# Altium PCB PCB_VHDCI_breakout.PCBDOC (part 4 of 6)
Units mm, origin at the board's own origin, x right, y up, seen from the top; angles counter-clockwise.
Board outline 159.99 x 100 mm, 4 copper layers (TopLayer, Internal Plane 1, Internal Plane 2, BottomLayer), stack 1.622 mm thick; 81 components, 168 nets, 660 pads, 330 vias.
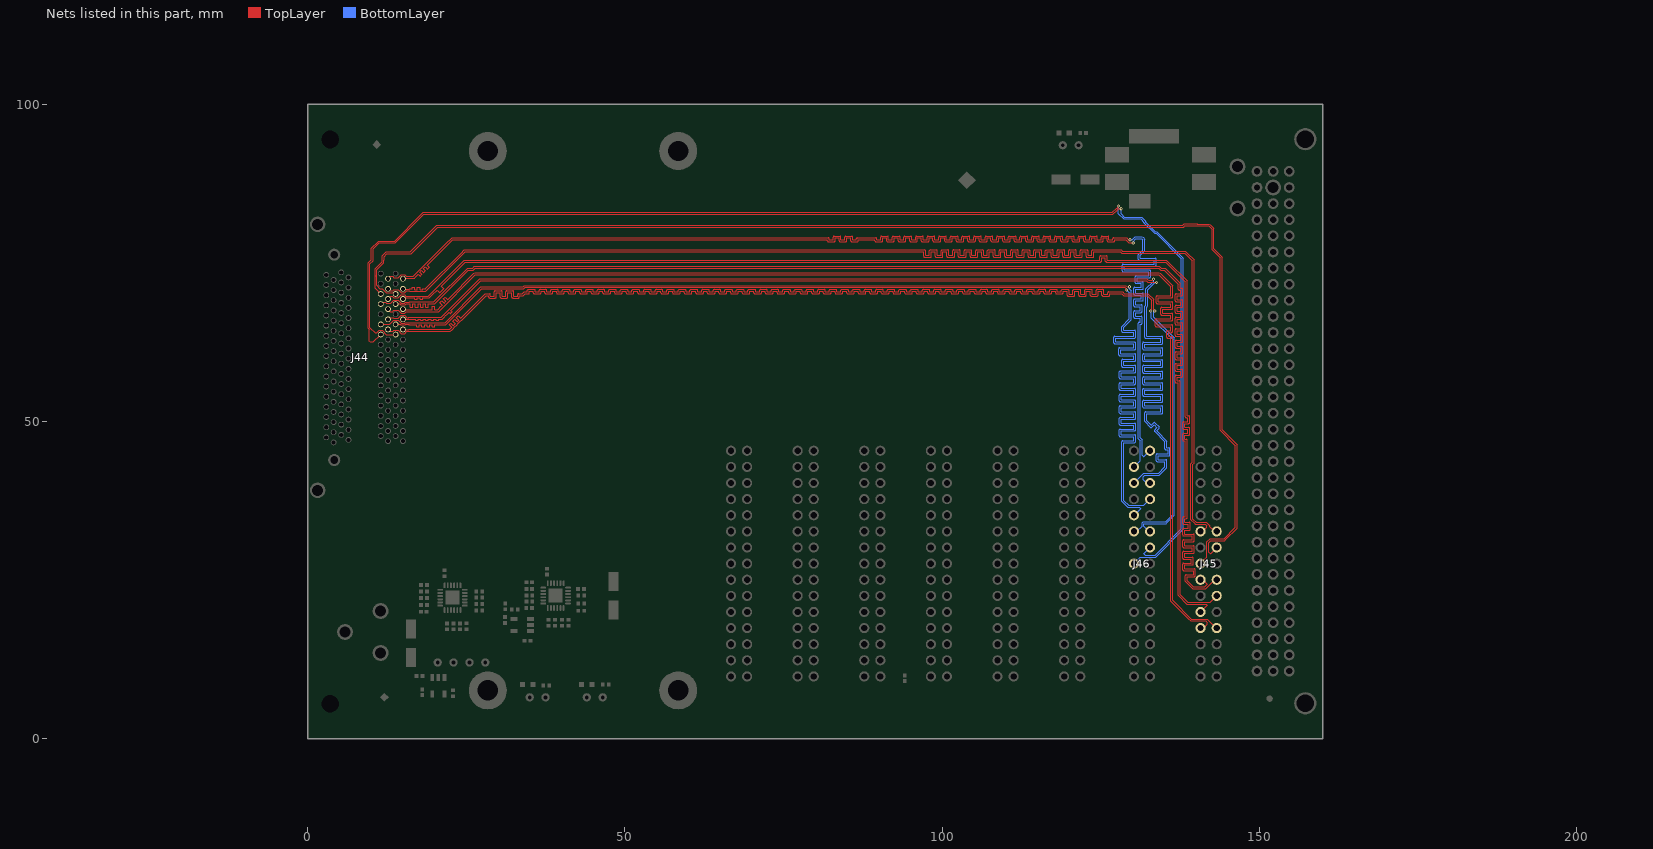
[diagram p6: the nets of this part, all layers, seen from the top]

## Via types
v1: diameter 0.5, hole 0.2, TopLayer to BottomLayer, tented both sides, 278 vias
v2: diameter 0.6, hole 0.3, TopLayer to BottomLayer, tented both sides, 52 vias

## Nets (pads, with @x,y where several pads share a name; then routed paths per layer and width w, separated by ;. In a path a pad name is that pad's centre, name@x,y a point inside that pad or via, vN(x,y) a via of type N, cw(c..) or ccw(c..) an arc to the next point about the centre after c; other vN are vias at no path point) (continued)
LVDS5_4_N: J44.U38 J45.12 | length 199
  TopLayer w0.127: J44.U38@15.025,70.871 15.079,70.817 16.053,70.817 16.117,70.88
  TopLayer w0.152: 16.117,70.88 16.3,70.88 16.503,70.88 16.503,71.119 16.91,71.119 16.91,70.88 16.91,70.753 17.316,70.753 17.316,70.88 17.316,71.119 17.722,71.119 17.722,70.88 17.722,70.753 18.129,70.753 18.129,70.88 18.535,70.88 18.58,70.88 18.65,70.95 24.181,76.481 24.705,77.005 97.225,77.005 cw(c97.225,76.852) 97.378,76.852 97.378,76.136 97.987,76.136 97.987,76.852 cw(c98.14,76.852) 98.14,77.005 99.054,77.005 cw(c99.054,76.852) 99.206,76.852 99.206,76.136 99.816,76.136 99.816,76.852 cw(c99.968,76.852) 99.968,77.005 100.883,77.005 cw(c100.883,76.852) 101.035,76.852 101.035,76.136 101.645,76.136 101.645,76.852 cw(c101.797,76.852) 101.797,77.005 102.712,77.005 cw(c102.712,76.852) 102.864,76.852 102.864,76.136 103.474,76.136 103.474,76.852 cw(c103.626,76.852) 103.626,77.005 104.54,77.005 cw(c104.54,76.852) 104.693,76.852 104.693,76.136 105.302,76.136 105.302,76.852 cw(c105.455,76.852) 105.455,77.005 106.369,77.005 cw(c106.369,76.852) 106.522,76.852 106.522,76.136 107.131,76.136 107.131,76.852 cw(c107.284,76.852) 107.284,77.005 108.198,77.005 cw(c108.198,76.852) 108.35,76.852 108.35,76.136 108.96,76.136 108.96,76.852 cw(c109.112,76.852) 109.112,77.005 110.027,77.005 cw(c110.027,76.852) 110.179,76.852 110.179,76.136 110.789,76.136 110.789,76.852 cw(c110.941,76.852) 110.941,77.005 111.856,77.005 cw(c111.856,76.852) 112.008,76.852 112.008,76.136 112.618,76.136 112.618,76.852 cw(c112.77,76.852) 112.77,77.005 113.684,77.005 cw(c113.684,76.852) 113.837,76.852 113.837,76.136 114.446,76.136 114.446,76.852 cw(c114.599,76.852) 114.599,77.005 115.513,77.005 cw(c115.513,76.852) 115.666,76.852 115.666,76.136 116.275,76.136 116.275,76.852 cw(c116.428,76.852) 116.428,77.005 117.342,77.005 cw(c117.342,76.852) 117.494,76.852 117.494,76.136 118.104,76.136 118.104,76.852 cw(c118.256,76.852) 118.256,77.005 119.171,77.005 cw(c119.171,76.852) 119.323,76.852 119.323,76.136 119.933,76.136 119.933,76.852 cw(c120.085,76.852) 120.085,77.005 121,77.005 cw(c121,76.852) 121.152,76.852 121.152,76.136 121.762,76.136 121.762,76.852 cw(c121.914,76.852) 121.914,77.005 122.828,77.005 cw(c122.828,76.852) 122.981,76.852 122.981,76.136 123.59,76.136 123.59,76.852 cw(c123.743,76.852) 123.743,77.005 128.195,77.005 128.391,76.809 131.814,76.809 131.815,76.81 138.321,76.81 138.65,76.481 139.705,75.426 139.705,43.404 139.505,43.204 139.505,34.595 140.034,34.066 141.598,34.066 142.137,33.526 142.137,33.4 142.881,32.656 J45.12@143.255,32.656
LVDS5_4_P: J44.U4 J45.11 | length 199.9
  TopLayer w0.127: J44.U4@12.675,70.871 12.983,70.563 13.461,70.563 13.61,70.711 14.278,70.711 14.76,70.23 15.29,70.23 15.622,70.563 16.053,70.563 16.117,70.499 16.143,70.499
  TopLayer w0.152: 16.143,70.473 18.604,70.473 24.831,76.7 97.073,76.7 97.073,75.983 ccw(c97.225,75.983) 97.225,75.831 98.14,75.831 ccw(c98.14,75.983) 98.292,75.983 98.292,76.7 98.902,76.7 98.902,75.983 ccw(c99.054,75.983) 99.054,75.831 99.968,75.831 ccw(c99.968,75.983) 100.121,75.983 100.121,76.7 100.73,76.7 100.73,75.983 ccw(c100.883,75.983) 100.883,75.831 101.797,75.831 ccw(c101.797,75.983) 101.95,75.983 101.95,76.7 102.559,76.7 102.559,75.983 ccw(c102.712,75.983) 102.712,75.831 103.626,75.831 ccw(c103.626,75.983) 103.778,75.983 103.778,76.7 104.388,76.7 104.388,75.983 ccw(c104.54,75.983) 104.54,75.831 105.455,75.831 ccw(c105.455,75.983) 105.607,75.983 105.607,76.7 106.217,76.7 106.217,75.983 ccw(c106.369,75.983) 106.369,75.831 107.284,75.831 ccw(c107.284,75.983) 107.436,75.983 107.436,76.7 108.046,76.7 108.046,75.983 ccw(c108.198,75.983) 108.198,75.831 109.112,75.831 ccw(c109.112,75.983) 109.265,75.983 109.265,76.7 109.874,76.7 109.874,75.983 ccw(c110.027,75.983) 110.027,75.831 110.941,75.831 ccw(c110.941,75.983) 111.094,75.983 111.094,76.7 111.703,76.7 111.703,75.983 ccw(c111.856,75.983) 111.856,75.831 112.77,75.831 ccw(c112.77,75.983) 112.922,75.983 112.922,76.7 113.532,76.7 113.532,75.983 ccw(c113.684,75.983) 113.684,75.831 114.599,75.831 ccw(c114.599,75.983) 114.751,75.983 114.751,76.7 115.361,76.7 115.361,75.983 ccw(c115.513,75.983) 115.513,75.831 116.428,75.831 ccw(c116.428,75.983) 116.58,75.983 116.58,76.7 117.19,76.7 117.19,75.983 ccw(c117.342,75.983) 117.342,75.831 118.256,75.831 ccw(c118.256,75.983) 118.409,75.983 118.409,76.7 119.018,76.7 119.018,75.983 ccw(c119.171,75.983) 119.171,75.831 120.085,75.831 ccw(c120.085,75.983) 120.238,75.983 120.238,76.7 120.847,76.7 120.847,75.983 ccw(c121,75.983) 121,75.831 121.914,75.831 ccw(c121.914,75.983) 122.066,75.983 122.066,76.7 122.676,76.7 122.676,75.983 ccw(c122.828,75.983) 122.828,75.831 123.743,75.831 ccw(c123.743,75.983) 123.895,75.983 123.895,76.7 128.069,76.7 128.265,76.504 131.941,76.504 131.942,76.505 138.195,76.505 139.4,75.3 139.4,43.531 139.2,43.331 139.2,34.469 139.684,33.984 139.908,33.761 141.471,33.761 141.7,33.532 141.7,33.268 141.089,32.656 J45.11@140.715,32.656
LVDS5_5_N: J44.U39 J45.15 | length 199.1
  TopLayer w0.127: 12.053,75.953 12.053,75.477 11.989,75.414 11.989,75.008 10.897,73.915 10.897,73.549 10.884,73.536 10.884,73.006 10.897,72.993 10.897,71.949 10.884,71.936 10.884,71.406 11.397,70.893 11.747,70.893 12.41,70.23 13.715,70.23 J44.U39@13.875,70.071
  TopLayer w0.152: 12.053,75.953 12.489,76.389 14.726,76.389 14.737,76.4 16.3,76.4 20.5,80.6 138.031,80.6 138.231,80.8 142.005,80.8 142.125,80.68 142.14,80.68 142.48,80.34 142.48,80.325 142.521,80.284 142.521,77.064 143.8,75.784 143.8,48.569 146.2,46.169 146.2,33.3 144.426,31.526 142.226,31.526 141.718,31.018 141.718,28.579 J45.15@140.715,27.576
LVDS5_5_P: J44.U5 J45.14 | length 197.8
  TopLayer w0.127: J44.U5@11.525,70.071 10.643,70.953 10.643,71.288 10.63,71.3 10.63,72.042 10.643,72.054 10.643,72.888 10.63,72.9 10.63,73.642 10.643,73.654 10.643,74.021 11.735,75.113 11.735,76.066
  TopLayer w0.152: 11.735,76.066 12.284,76.616 12.363,76.694 14.599,76.694 14.611,76.705 16.174,76.705 20.074,80.605 20.374,80.905 137.905,80.905 138.105,81.105 140.2,81.105 140.225,81.079 142.121,81.079 142.241,80.959 142.256,80.959 142.759,80.456 142.759,80.441 142.8,80.4 142.8,77.18 144.105,75.875 144.105,48.695 146.505,46.295 146.505,33.174 144.716,31.384 144.537,31.206 142.337,31.206 142.023,30.892 142.023,29.377 142.3,29.1 143.255,30.055 J45.14@143.255,30.116
LVDS5_6_N: J44.U40 J45.18 | length 199.5
  TopLayer w0.127: J44.U40@15.025,69.271 15.215,69.461 16.066,69.461 16.092,69.436
  TopLayer w0.152: 16.092,69.436 16.3,69.436 16.503,69.436 16.91,69.436 16.91,69.223 17.316,69.223 17.316,69.436 17.722,69.436 17.722,69.223 18.129,69.223 18.129,69.436 18.2,69.436 19.167,69.436 19.431,69.7 19.754,70.023 20.401,70.67 20.796,70.275 21.443,70.921 21.047,71.316 21.666,71.934 24.831,75.1 124.957,75.1 ccw(c124.957,75.252) 125.11,75.252 125.11,75.785 125.719,75.785 125.719,75.252 ccw(c125.872,75.252) 125.872,75.1 135.2,75.1 138.3,72 138.3,50.715 ccw(c138.452,50.715) 138.452,50.562 138.689,50.562 138.689,49.953 138.064,49.953 ccw(c138.064,49.8) 137.911,49.8 137.911,48.886 ccw(c138.064,48.886) 138.064,48.734 138.689,48.734 138.689,48.124 138.064,48.124 ccw(c138.064,47.972) 137.911,47.972 137.911,47.057 ccw(c138.064,47.057) 138.064,46.905 138.3,46.905 138.3,34.981 138.064,34.981 ccw(c138.064,34.828) 137.911,34.828 137.911,33.914 ccw(c138.064,33.914) 138.064,33.762 138.812,33.762 138.812,33.152 138.064,33.152 ccw(c138.064,33) 137.911,33 137.911,32.085 ccw(c138.064,32.085) 138.064,31.933 139.414,31.933 139.414,31.323 138.064,31.323 ccw(c138.064,31.171) 137.911,31.171 137.911,30.256 ccw(c138.064,30.256) 138.064,30.104 139.407,30.104 139.407,29.494 138.064,29.494 ccw(c138.064,29.342) 137.911,29.342 137.911,28.428 ccw(c138.064,28.428) 138.064,28.275 139.28,28.275 139.28,27.666 138.064,27.666 ccw(c138.064,27.513) 137.911,27.513 137.911,26.599 ccw(c138.064,26.599) 138.064,26.446 139.606,26.446 139.606,25.837 138.452,25.837 ccw(c138.452,25.684) 138.3,25.684 138.3,24.769 139.474,23.595 141.526,23.595 142.016,24.084 142.967,25.036 J45.18@143.255,25.036
LVDS5_6_P: J44.U6 J45.17 | length 199.9
  TopLayer w0.127: J44.U6@12.675,69.271 13.119,69.715 13.324,69.715 13.61,69.43 14.278,69.43 14.76,69.911 15.29,69.911 15.486,69.715 16.066,69.715 16.092,69.741
  TopLayer w0.152: 16.092,69.741 19.041,69.741 24.46,75.16 24.705,75.405 124.805,75.405 124.805,75.938 cw(c124.957,75.938) 124.957,76.09 125.872,76.09 cw(c125.872,75.938) 126.024,75.938 126.024,75.405 135.326,75.405 135.571,75.16 138.605,72.126 138.605,50.867 138.841,50.867 cw(c138.841,50.715) 138.994,50.715 138.994,49.8 cw(c138.841,49.8) 138.841,49.648 138.216,49.648 138.216,49.038 138.841,49.038 cw(c138.841,48.886) 138.994,48.886 138.994,47.972 cw(c138.841,47.972) 138.841,47.819 138.216,47.819 138.216,47.21 138.452,47.21 cw(c138.452,47.057) 138.605,47.057 138.605,34.828 cw(c138.452,34.828) 138.452,34.676 138.216,34.676 138.216,34.066 138.965,34.066 cw(c138.965,33.914) 139.117,33.914 139.117,33 cw(c138.965,33) 138.965,32.847 138.216,32.847 138.216,32.238 139.566,32.238 cw(c139.566,32.085) 139.719,32.085 139.719,31.171 cw(c139.566,31.171) 139.566,31.018 138.216,31.018 138.216,30.409 139.559,30.409 cw(c139.559,30.256) 139.712,30.256 139.712,29.342 cw(c139.559,29.342) 139.559,29.19 138.216,29.19 138.216,28.58 139.432,28.58 cw(c139.432,28.428) 139.585,28.428 139.585,27.513 cw(c139.432,27.513) 139.432,27.361 138.216,27.361 138.216,26.751 139.758,26.751 cw(c139.758,26.599) 139.911,26.599 139.911,25.684 cw(c139.758,25.684) 139.758,25.532 138.605,25.532 138.605,24.895 139.6,23.9 141.4,23.9 141.8,24.3 141.064,25.036 J45.17@140.715,25.036
LVDS5_7_N: J44.U41 J45.21 | length 199.5
  TopLayer w0.127: J44.U41@13.875,68.471 13.909,68.505 14.526,68.505 14.654,68.376 15.395,68.376 15.524,68.505 16.028,68.505 16.034,68.512
  TopLayer w0.152: 16.034,68.512 16.1,68.512 16.178,68.512 16.178,68.007 16.584,68.007 16.584,68.512 16.991,68.512 16.991,68.007 17.397,68.007 17.397,68.512 17.803,68.512 17.803,68.007 18.21,68.007 18.21,68.512 18.616,68.512 18.616,68.007 19.023,68.007 19.023,68.512 19.429,68.512 19.835,68.512 20.039,68.512 25.327,73.8 26.125,73.8 26.425,74.1 134.106,74.1 134.406,73.8 135,73.8 137.2,71.6 137.2,70.843 ccw(c137.352,70.843) 137.352,70.69 137.589,70.69 137.589,70.081 136.864,70.081 ccw(c136.864,69.928) 136.711,69.928 136.711,69.014 ccw(c136.864,69.014) 136.864,68.862 137.589,68.862 137.589,68.252 136.864,68.252 ccw(c136.864,68.1) 136.711,68.1 136.711,67.185 ccw(c136.864,67.185) 136.864,67.033 137.589,67.033 137.589,66.423 136.864,66.423 ccw(c136.864,66.271) 136.711,66.271 136.711,65.356 ccw(c136.864,65.356) 136.864,65.204 137.589,65.204 137.589,64.594 136.864,64.594 ccw(c136.864,64.442) 136.711,64.442 136.711,63.528 ccw(c136.864,63.528) 136.864,63.375 137.589,63.375 137.589,62.766 136.864,62.766 ccw(c136.864,62.613) 136.711,62.613 136.711,61.699 ccw(c136.864,61.699) 136.864,61.546 137.589,61.546 137.589,60.937 136.864,60.937 ccw(c136.864,60.784) 136.711,60.784 136.711,59.87 ccw(c136.864,59.87) 136.864,59.718 137.589,59.718 137.589,59.108 136.864,59.108 ccw(c136.864,58.956) 136.711,58.956 136.711,58.041 ccw(c136.864,58.041) 136.864,57.889 137.589,57.889 137.589,57.279 136.864,57.279 ccw(c136.864,57.127) 136.711,57.127 136.711,56.212 ccw(c136.864,56.212) 136.864,56.06 137.2,56.06 137.2,22.569 138.574,21.195 138.581,21.188 141.257,21.188 141.26,21.192 141.605,21.192 141.776,21.021 141.779,21.021 J45.21@140.715,19.956
LVDS5_7_P: J44.U7 J45.20 | length 198.7
  TopLayer w0.127: J44.U7@11.525,68.471 11.813,68.759 12.281,68.759 12.41,68.63 13.128,68.63 13.61,69.112 14.278,69.112 14.76,68.63 15.29,68.63 15.419,68.759 16.028,68.759 16.092,68.823 16.098,68.816
  TopLayer w0.152: 16.098,68.816 19.912,68.816 25.201,74.105 25.999,74.105 26.299,74.405 134.232,74.405 134.532,74.105 135.126,74.105 137.505,71.726 137.505,70.995 137.741,70.995 cw(c137.741,70.843) 137.894,70.843 137.894,69.928 cw(c137.741,69.928) 137.741,69.776 137.016,69.776 137.016,69.166 137.741,69.166 cw(c137.741,69.014) 137.894,69.014 137.894,68.1 cw(c137.741,68.1) 137.741,67.947 137.016,67.947 137.016,67.338 137.741,67.338 cw(c137.741,67.185) 137.894,67.185 137.894,66.271 cw(c137.741,66.271) 137.741,66.118 137.016,66.118 137.016,65.509 137.741,65.509 cw(c137.741,65.356) 137.894,65.356 137.894,64.442 cw(c137.741,64.442) 137.741,64.29 137.016,64.29 137.016,63.68 137.741,63.68 cw(c137.741,63.528) 137.894,63.528 137.894,62.613 cw(c137.741,62.613) 137.741,62.461 137.016,62.461 137.016,61.851 137.741,61.851 cw(c137.741,61.699) 137.894,61.699 137.894,60.784 cw(c137.741,60.784) 137.741,60.632 137.016,60.632 137.016,60.022 137.741,60.022 cw(c137.741,59.87) 137.894,59.87 137.894,58.956 cw(c137.741,58.956) 137.741,58.803 137.016,58.803 137.016,58.194 137.741,58.194 cw(c137.741,58.041) 137.894,58.041 137.894,57.127 cw(c137.741,57.127) 137.741,56.974 137.016,56.974 137.016,56.365 137.352,56.365 cw(c137.352,56.212) 137.505,56.212 137.505,22.695 138.707,21.493 141.13,21.493 141.138,21.5 141.2,21.5 141.204,21.496 142.255,21.496 J45.20@143.255,22.496
LVDS5_8_N: J44.U42 J45.24 | length 199.4
  TopLayer w0.127: J44.U42@15.025,67.671 15.152,67.544 16.003,67.544 16.066,67.607 16.072,67.601
  TopLayer w0.152: 16.072,67.601 19.4,67.601 19.603,67.601 19.603,68.105 20.01,68.105 20.01,67.601 20.416,67.601 20.501,67.601 20.645,67.745 20.932,68.032 21.22,68.32 20.82,68.719 21.108,69.006 21.507,68.607 21.794,68.894 21.395,69.293 21.683,69.581 22.082,69.182 22.369,69.469 22.4,69.5 26.205,73.305 26.305,73.405 134.226,73.405 134.326,73.305 136.305,71.326 136.305,69.628 cw(c136.152,69.628) 136.152,69.476 134.024,69.476 134.024,68.866 136.152,68.866 cw(c136.152,68.714) 136.305,68.714 136.305,67.8 cw(c136.152,67.8) 136.152,67.647 134.738,67.647 134.738,67.038 136.152,67.038 cw(c136.152,66.885) 136.305,66.885 136.305,65.971 cw(c136.152,65.971) 136.152,65.818 133.886,65.818 133.886,65.209 136.152,65.209 cw(c136.152,65.056) 136.305,65.056 136.305,64.142 cw(c136.152,64.142) 136.152,63.99 135.706,63.99 135.706,63.38 136.152,63.38 cw(c136.152,63.228) 136.305,63.228 136.305,21.795 139.274,18.826 141.774,18.826 143.184,17.416 J45.24@143.255,17.416
LVDS5_8_P: J44.U8 J45.23 | length 198.6
  TopLayer w0.127: J44.U8@12.675,67.671 13.056,67.29 13.388,67.29 13.61,67.511 14.278,67.511 14.76,67.03 15.29,67.03 15.55,67.29 16.003,67.29 16.009,67.296
  TopLayer w0.152: 16.009,67.296 20.627,67.296 26.431,73.1 134.1,73.1 136,71.2 136,69.781 133.871,69.781 ccw(c133.871,69.628) 133.719,69.628 133.719,68.714 ccw(c133.871,68.714) 133.871,68.562 136,68.562 136,67.952 134.586,67.952 ccw(c134.586,67.8) 134.433,67.8 134.433,66.885 ccw(c134.586,66.885) 134.586,66.733 136,66.733 136,66.123 133.734,66.123 ccw(c133.734,65.971) 133.581,65.971 133.581,65.056 ccw(c133.734,65.056) 133.734,64.904 136,64.904 136,64.294 135.554,64.294 ccw(c135.554,64.142) 135.402,64.142 135.402,63.228 ccw(c135.554,63.228) 135.554,63.075 136,63.075 136,21.669 138.784,18.884 138.802,18.884 139.14,18.546 141.507,18.546 141.784,18.269 141.784,18.016 141.185,17.416 J45.23@140.715,17.416
LVDS6_1_N: J44.U36 J46.3 | length 203.6
  TopLayer w0.127: J44.U36@15.025,72.471 J44.U36@15.123,72.569
  TopLayer w0.152: J44.U36@15.123,72.569 15.419,72.569 15.457,72.531 15.95,72.531 15.988,72.569 16.866,72.569 17,72.703 17.144,72.847 17.431,73.134 17.715,72.85 18.003,73.137 17.718,73.421 17.647,73.493 17.934,73.781 18.006,73.709 18.29,73.425 18.577,73.712 18.293,73.996 18.221,74.068 18.509,74.355 18.581,74.284 18.865,73.999 19.152,74.287 18.868,74.571 19.049,74.751 22.897,78.6 81.918,78.6 81.918,78.464 ccw(c82.071,78.464) 82.071,78.311 82.985,78.311 ccw(c82.985,78.464) 83.138,78.464 83.138,78.889 83.747,78.889 83.747,78.464 ccw(c83.9,78.464) 83.9,78.311 84.814,78.311 ccw(c84.814,78.464) 84.966,78.464 84.966,78.889 85.576,78.889 85.576,78.464 ccw(c85.728,78.464) 85.728,78.311 86.643,78.311 ccw(c86.643,78.464) 86.795,78.464 86.795,78.6 89.4,78.6 89.4,78.464 ccw(c89.552,78.464) 89.552,78.311 90.467,78.311 ccw(c90.467,78.464) 90.619,78.464 90.619,78.889 91.229,78.889 91.229,78.464 ccw(c91.381,78.464) 91.381,78.311 92.296,78.311 ccw(c92.296,78.464) 92.448,78.464 92.448,78.889 93.058,78.889 93.058,78.464 ccw(c93.21,78.464) 93.21,78.311 94.124,78.311 ccw(c94.124,78.464) 94.277,78.464 94.277,78.889 94.886,78.889 94.886,78.464 ccw(c95.039,78.464) 95.039,78.311 95.953,78.311 ccw(c95.953,78.464) 96.106,78.464 96.106,78.889 96.715,78.889 96.715,78.464 ccw(c96.868,78.464) 96.868,78.311 97.782,78.311 ccw(c97.782,78.464) 97.934,78.464 97.934,78.889 98.544,78.889 98.544,78.464 ccw(c98.696,78.464) 98.696,78.311 99.611,78.311 ccw(c99.611,78.464) 99.763,78.464 99.763,78.889 100.373,78.889 100.373,78.464 ccw(c100.525,78.464) 100.525,78.311 101.44,78.311 ccw(c101.44,78.464) 101.592,78.464 101.592,78.889 102.202,78.889 102.202,78.464 ccw(c102.354,78.464) 102.354,78.311 103.268,78.311 ccw(c103.268,78.464) 103.421,78.464 103.421,78.889 104.03,78.889 104.03,78.464 ccw(c104.183,78.464) 104.183,78.311 105.097,78.311 ccw(c105.097,78.464) 105.25,78.464 105.25,78.889 105.859,78.889 105.859,78.464 ccw(c106.012,78.464) 106.012,78.311 106.926,78.311 ccw(c106.926,78.464) 107.078,78.464 107.078,78.889 107.688,78.889 107.688,78.464 ccw(c107.84,78.464) 107.84,78.311 108.755,78.311 ccw(c108.755,78.464) 108.907,78.464 108.907,78.889 109.517,78.889 109.517,78.464 ccw(c109.669,78.464) 109.669,78.311 110.584,78.311 ccw(c110.584,78.464) 110.736,78.464 110.736,78.889 111.346,78.889 111.346,78.464 ccw(c111.498,78.464) 111.498,78.311 112.412,78.311 ccw(c112.412,78.464) 112.565,78.464 112.565,78.889 113.174,78.889 113.174,78.464 ccw(c113.327,78.464) 113.327,78.311 114.241,78.311 ccw(c114.241,78.464) 114.394,78.464 114.394,78.889 115.003,78.889 115.003,78.464 ccw(c115.156,78.464) 115.156,78.311 116.07,78.311 ccw(c116.07,78.464) 116.222,78.464 116.222,78.889 116.832,78.889 116.832,78.464 ccw(c116.984,78.464) 116.984,78.311 117.899,78.311 ccw(c117.899,78.464) 118.051,78.464 118.051,78.889 118.661,78.889 118.661,78.464 ccw(c118.813,78.464) 118.813,78.311 119.728,78.311 ccw(c119.728,78.464) 119.88,78.464 119.88,78.889 120.49,78.889 120.49,78.464 ccw(c120.642,78.464) 120.642,78.311 121.556,78.311 ccw(c121.556,78.464) 121.709,78.464 121.709,78.889 122.318,78.889 122.318,78.464 ccw(c122.471,78.464) 122.471,78.311 123.385,78.311 ccw(c123.385,78.464) 123.538,78.464 123.538,78.889 124.147,78.889 124.147,78.464 ccw(c124.3,78.464) 124.3,78.311 125.214,78.311 ccw(c125.214,78.464) 125.366,78.464 125.366,78.889 125.976,78.889 125.976,78.464 ccw(c126.128,78.464) 126.128,78.311 127.043,78.311 ccw(c127.043,78.464) 127.195,78.464 127.195,78.6 128.923,78.6 129.423,78.1 v1(130.1,78.1)
  BottomLayer w0.152: v1(130.1,78.1) 130.1,78.326 130.537,78.763 131.437,78.763 131.6,78.6 131.6,76.981 130.895,76.276 130.895,75.527 ccw(c131.048,75.527) 131.048,75.375 133.435,75.375 133.435,74.765 128.508,74.765 ccw(c128.508,74.613) 128.355,74.613 128.355,73.698 ccw(c128.508,73.698) 128.508,73.546 132.523,73.546 132.523,72.936 130.581,72.936 ccw(c130.581,72.784) 130.429,72.784 130.429,71.869 ccw(c130.581,71.869) 130.581,71.717 131.396,71.717 131.396,71.107 130.359,71.107 ccw(c130.359,70.955) 130.206,70.955 130.206,70.041 ccw(c130.359,70.041) 130.359,69.888 131.389,69.888 131.389,69.279 130.359,69.279 ccw(c130.359,69.126) 130.206,69.126 130.206,68.212 ccw(c130.359,68.212) 130.359,68.059 131.189,68.059 131.189,67.45 130.359,67.45 ccw(c130.359,67.297) 130.206,67.297 130.206,66.383 ccw(c130.359,66.383) 130.359,66.231 131.189,66.231 131.189,65.621 131.048,65.621 ccw(c131.048,65.469) 130.895,65.469 130.895,47.274 131.218,46.951 131.218,43.819 J46.3@130.215,42.816
LVDS6_1_P: J44.U2 J46.2 | length 203.3
  TopLayer w0.127: J44.U2@12.675,72.471 13.027,72.823 13.417,72.823 13.61,72.63 14.278,72.63 14.76,73.111 15.29,73.111 15.578,72.823 15.829,72.823
  TopLayer w0.152: 15.829,72.874 16.632,72.874 22.246,78.487 22.353,78.487 22.771,78.905 82.071,78.905 cw(c82.071,78.752) 82.223,78.752 82.223,78.616 82.833,78.616 82.833,79.041 cw(c82.985,79.041) 82.985,79.194 83.9,79.194 cw(c83.9,79.041) 84.052,79.041 84.052,78.616 84.662,78.616 84.662,79.041 cw(c84.814,79.041) 84.814,79.194 85.728,79.194 cw(c85.728,79.041) 85.881,79.041 85.881,78.616 86.49,78.616 86.49,78.752 cw(c86.643,78.752) 86.643,78.905 89.552,78.905 cw(c89.552,78.752) 89.705,78.752 89.705,78.616 90.314,78.616 90.314,79.041 cw(c90.467,79.041) 90.467,79.194 91.381,79.194 cw(c91.381,79.041) 91.534,79.041 91.534,78.616 92.143,78.616 92.143,79.041 cw(c92.296,79.041) 92.296,79.194 93.21,79.194 cw(c93.21,79.041) 93.362,79.041 93.362,78.616 93.972,78.616 93.972,79.041 cw(c94.124,79.041) 94.124,79.194 95.039,79.194 cw(c95.039,79.041) 95.191,79.041 95.191,78.616 95.801,78.616 95.801,79.041 cw(c95.953,79.041) 95.953,79.194 96.868,79.194 cw(c96.868,79.041) 97.02,79.041 97.02,78.616 97.63,78.616 97.63,79.041 cw(c97.782,79.041) 97.782,79.194 98.696,79.194 cw(c98.696,79.041) 98.849,79.041 98.849,78.616 99.458,78.616 99.458,79.041 cw(c99.611,79.041) 99.611,79.194 100.525,79.194 cw(c100.525,79.041) 100.678,79.041 100.678,78.616 101.287,78.616 101.287,79.041 cw(c101.44,79.041) 101.44,79.194 102.354,79.194 cw(c102.354,79.041) 102.506,79.041 102.506,78.616 103.116,78.616 103.116,79.041 cw(c103.268,79.041) 103.268,79.194 104.183,79.194 cw(c104.183,79.041) 104.335,79.041 104.335,78.616 104.945,78.616 104.945,79.041 cw(c105.097,79.041) 105.097,79.194 106.012,79.194 cw(c106.012,79.041) 106.164,79.041 106.164,78.616 106.774,78.616 106.774,79.041 cw(c106.926,79.041) 106.926,79.194 107.84,79.194 cw(c107.84,79.041) 107.993,79.041 107.993,78.616 108.602,78.616 108.602,79.041 cw(c108.755,79.041) 108.755,79.194 109.669,79.194 cw(c109.669,79.041) 109.822,79.041 109.822,78.616 110.431,78.616 110.431,79.041 cw(c110.584,79.041) 110.584,79.194 111.498,79.194 cw(c111.498,79.041) 111.65,79.041 111.65,78.616 112.26,78.616 112.26,79.041 cw(c112.412,79.041) 112.412,79.194 113.327,79.194 cw(c113.327,79.041) 113.479,79.041 113.479,78.616 114.089,78.616 114.089,79.041 cw(c114.241,79.041) 114.241,79.194 115.156,79.194 cw(c115.156,79.041) 115.308,79.041 115.308,78.616 115.918,78.616 115.918,79.041 cw(c116.07,79.041) 116.07,79.194 116.984,79.194 cw(c116.984,79.041) 117.137,79.041 117.137,78.616 117.746,78.616 117.746,79.041 cw(c117.899,79.041) 117.899,79.194 118.813,79.194 cw(c118.813,79.041) 118.966,79.041 118.966,78.616 119.575,78.616 119.575,79.041 cw(c119.728,79.041) 119.728,79.194 120.642,79.194 cw(c120.642,79.041) 120.794,79.041 120.794,78.616 121.404,78.616 121.404,79.041 cw(c121.556,79.041) 121.556,79.194 122.471,79.194 cw(c122.471,79.041) 122.623,79.041 122.623,78.616 123.233,78.616 123.233,79.041 cw(c123.385,79.041) 123.385,79.194 124.3,79.194 cw(c124.3,79.041) 124.452,79.041 124.452,78.616 125.062,78.616 125.062,79.041 cw(c125.214,79.041) 125.214,79.194 126.128,79.194 cw(c126.128,79.041) 126.281,79.041 126.281,78.616 126.89,78.616 126.89,78.752 cw(c127.043,78.752) 127.043,78.905 129.049,78.905 129.354,78.6 v1(129.6,78.6)
  BottomLayer w0.152: v1(129.6,78.6) 129.943,78.6 130.411,79.068 131.563,79.068 131.652,78.979 131.905,78.726 131.905,76.855 131.2,76.15 131.2,75.679 133.588,75.679 cw(c133.588,75.527) 133.74,75.527 133.74,74.613 cw(c133.588,74.613) 133.588,74.46 128.66,74.46 128.66,73.851 132.676,73.851 cw(c132.676,73.698) 132.828,73.698 132.828,72.784 cw(c132.676,72.784) 132.676,72.631 130.733,72.631 130.733,72.022 131.549,72.022 cw(c131.549,71.869) 131.701,71.869 131.701,70.955 cw(c131.549,70.955) 131.549,70.803 130.511,70.803 130.511,70.193 131.541,70.193 cw(c131.541,70.041) 131.694,70.041 131.694,69.126 cw(c131.541,69.126) 131.541,68.974 130.511,68.974 130.511,68.364 131.341,68.364 cw(c131.341,68.212) 131.494,68.212 131.494,67.297 cw(c131.341,67.297) 131.341,67.145 130.511,67.145 130.511,66.535 131.341,66.535 cw(c131.341,66.383) 131.494,66.383 131.494,65.469 cw(c131.341,65.469) 131.341,65.316 131.2,65.316 131.2,47.4 131.523,47.077 131.523,44.662 131.792,44.393 J46.2@132.755,45.356
LVDS6_2_N: J44.U44 J46.6 | length 203.4
  TopLayer w0.127: J44.U44@15.025,66.071 15.046,66.092 15.901,66.092 15.926,66.067
  TopLayer w0.152: 15.926,66.067 16.4,66.067 16.603,66.067 17.01,66.067 17.01,65.957 17.416,65.957 17.416,66.067 17.822,66.067 17.822,65.957 18.229,65.957 18.229,66.067 18.635,66.067 18.635,65.957 19.042,65.957 19.042,66.067 19.448,66.067 19.448,65.957 19.854,65.957 19.854,66.067 20.261,66.067 20.261,65.957 20.667,65.957 20.667,66.067 21.074,66.067 21.198,66.067 21.342,66.21 21.629,66.498 21.727,66.596 22.016,66.884 22.3,67.169 22.497,66.972 22.785,67.259 22.587,67.456 22.731,67.6 27.284,72.153 132.147,72.153 132.406,71.894 133.396,71.894 133.4,71.898 v1(133.793,71.898)
  BottomLayer w0.152: J46.6@132.755,40.276 132.224,40.276 131.7,40.8 131.7,41.3 131.895,41.495 134.226,41.495 135.405,42.674 135.405,43.814 ccw(c135.252,43.814) 135.252,43.966 134.026,43.966 134.026,44.576 135.736,44.576 ccw(c135.736,44.728) 135.889,44.728 135.889,45.643 ccw(c135.736,45.643) 135.736,45.795 135.405,45.795 135.405,46.895 133.78,48.52 134.168,48.908 ccw(c134.06,49.016) 134.213,49.016 ccw(c134.06,49.016) 134.168,49.123 133.521,49.77 ccw(c133.414,49.662) 133.306,49.77 132.918,49.382 132.205,50.095 132.205,51.203 134.592,51.203 ccw(c134.592,51.356) 134.745,51.356 134.745,52.27 ccw(c134.592,52.27) 134.592,52.422 131.911,52.422 131.911,53.032 134.592,53.032 ccw(c134.592,53.184) 134.745,53.184 134.745,54.099 ccw(c134.592,54.099) 134.592,54.251 131.911,54.251 131.911,54.861 134.592,54.861 ccw(c134.592,55.013) 134.745,55.013 134.745,55.928 ccw(c134.592,55.928) 134.592,56.08 131.911,56.08 131.911,56.69 134.592,56.69 ccw(c134.592,56.842) 134.745,56.842 134.745,57.756 ccw(c134.592,57.756) 134.592,57.909 131.911,57.909 131.911,58.518 134.592,58.518 ccw(c134.592,58.671) 134.745,58.671 134.745,59.585 ccw(c134.592,59.585) 134.592,59.738 131.911,59.738 131.911,60.347 134.592,60.347 ccw(c134.592,60.5) 134.745,60.5 134.745,61.414 ccw(c134.592,61.414) 134.592,61.566 131.911,61.566 131.911,62.176 134.592,62.176 ccw(c134.592,62.328) 134.745,62.328 134.745,63.243 ccw(c134.592,63.243) 134.592,63.395 132.205,63.395 132.205,67.974 132.405,68.174 132.405,70.737 133.565,71.898 v1(133.793,71.898)
LVDS6_2_P: J44.U10 J46.5 | length 204.2
  TopLayer w0.127: J44.U10@12.675,66.071 12.95,66.346 13.494,66.346 13.61,66.23 14.279,66.23 14.76,66.711 15.29,66.711 15.655,66.346 15.901,66.346 15.926,66.372
  TopLayer w0.152: 15.926,66.372 21.072,66.372 27.005,72.305 27.158,72.458 132.273,72.458 132.426,72.305 132.532,72.199 133.099,72.199 v1(133.3,72.4)
  BottomLayer w0.152: J46.5@130.215,40.276 130.245,40.276 131.484,41.516 131.769,41.8 134.1,41.8 135.1,42.8 135.1,43.662 133.873,43.662 cw(c133.873,43.814) 133.721,43.814 133.721,44.728 cw(c133.873,44.728) 133.873,44.881 135.584,44.881 135.584,45.49 135.252,45.49 cw(c135.252,45.643) 135.1,45.643 135.1,46.769 133.457,48.412 ; v1@133.315,72.306 133.315,72.078 132.1,70.864 132.1,68.3 131.9,68.1 131.9,63.243 ccw(c132.052,63.243) 132.052,63.09 134.44,63.09 134.44,62.481 131.759,62.481 ccw(c131.759,62.328) 131.606,62.328 131.606,61.414 ccw(c131.759,61.414) 131.759,61.262 134.44,61.262 134.44,60.652 131.759,60.652 ccw(c131.759,60.5) 131.606,60.5 131.606,59.585 ccw(c131.759,59.585) 131.759,59.433 134.44,59.433 134.44,58.823 131.759,58.823 ccw(c131.759,58.671) 131.606,58.671 131.606,57.756 ccw(c131.759,57.756) 131.759,57.604 134.44,57.604 134.44,56.994 131.759,56.994 ccw(c131.759,56.842) 131.606,56.842 131.606,55.928 ccw(c131.759,55.928) 131.759,55.775 134.44,55.775 134.44,55.166 131.759,55.166 ccw(c131.759,55.013) 131.606,55.013 131.606,54.099 ccw(c131.759,54.099) 131.759,53.946 134.44,53.946 134.44,53.337 131.759,53.337 ccw(c131.759,53.184) 131.606,53.184 131.606,52.27 ccw(c131.759,52.27) 131.759,52.118 134.44,52.118 134.44,51.508 132.052,51.508 ccw(c132.052,51.356) 131.9,51.356 131.9,49.969 132.81,49.059 ccw(c132.918,49.167) 133.026,49.059 133.414,49.447 133.845,49.016 133.457,48.628 ccw(c133.565,48.52) 133.457,48.412
LVDS6_3_N: J44.U45 J46.9 | length 203.9
  TopLayer w0.127: J44.U45@13.875,65.271 14.56,65.271 14.654,65.176 15.395,65.176 15.49,65.271 15.901,65.271 15.926,65.246
  TopLayer w0.152: 15.926,65.246 16.6,65.246 16.803,65.246 17.21,65.246 17.21,64.873 17.616,64.873 17.616,65.246 18.022,65.246 18.022,64.873 18.429,64.873 18.429,65.246 18.835,65.246 18.835,64.873 19.242,64.873 19.242,65.246 19.648,65.246 19.648,64.873 20.054,64.873 20.054,65.246 20.3,65.246 21.777,65.246 27.431,70.9 34.079,70.9 34.274,71.095 128.805,71.095 v1@129,70.9 ; v1@128.874,70.9 v1@129.022,70.752
  BottomLayer w0.152: v1(129.022,70.704) 129.495,70.231 129.495,66.126 128.295,64.926 128.295,64.177 ccw(c128.448,64.177) 128.448,64.025 130.169,64.025 130.169,63.415 127.221,63.415 ccw(c127.221,63.263) 127.068,63.263 127.068,62.349 ccw(c127.221,62.349) 127.221,62.196 130.169,62.196 130.169,61.587 127.947,61.587 ccw(c127.947,61.434) 127.795,61.434 127.795,60.52 ccw(c127.947,60.52) 127.947,60.367 130.169,60.367 130.169,59.758 128.448,59.758 ccw(c128.448,59.605) 128.295,59.605 128.295,58.691 ccw(c128.448,58.691) 128.448,58.539 130.169,58.539 130.169,57.929 128.079,57.929 ccw(c128.079,57.777) 127.927,57.777 127.927,56.862 ccw(c128.079,56.862) 128.079,56.71 130.169,56.71 130.169,56.1 128.079,56.1 ccw(c128.079,55.948) 127.927,55.948 127.927,55.033 ccw(c128.079,55.033) 128.079,54.881 130.169,54.881 130.169,54.271 128.079,54.271 ccw(c128.079,54.119) 127.927,54.119 127.927,53.205 ccw(c128.079,53.205) 128.079,53.052 130.169,53.052 130.169,52.443 128.079,52.443 ccw(c128.079,52.29) 127.927,52.29 127.927,51.376 ccw(c128.079,51.376) 128.079,51.223 130.169,51.223 130.169,50.614 128.079,50.614 ccw(c128.079,50.461) 127.927,50.461 127.927,49.547 ccw(c128.079,49.547) 128.079,49.395 130.169,49.395 130.169,48.785 128.079,48.785 ccw(c128.079,48.633) 127.927,48.633 127.927,47.718 ccw(c128.079,47.718) 128.079,47.566 130.169,47.566 130.169,46.956 128.448,46.956 ccw(c128.448,46.804) 128.295,46.804 128.295,37.374 129.241,36.428 131.1,36.428 131.1,36.417 131.268,36.249 J46.9@130.215,35.196
LVDS6_3_P: J44.U11 J46.8 | length 204.2
  TopLayer w0.127: J44.U11@11.525,65.271 12.969,65.271 13.61,65.911 14.278,65.911 14.76,65.43 15.29,65.43 15.385,65.525 15.901,65.525 15.926,65.55
  TopLayer w0.152: 15.926,65.55 21.65,65.55 27.205,71.105 27.305,71.205 33.953,71.205 34.148,71.4 128.931,71.4 129.131,71.2 v1(129.5,71.2)
  BottomLayer w0.152: v1(129.5,71.2) 129.5,70.9 129.8,70.6 129.8,70.231 129.8,66 128.6,64.8 128.6,64.33 130.321,64.33 cw(c130.321,64.177) 130.473,64.177 130.473,63.263 cw(c130.321,63.263) 130.321,63.111 127.373,63.111 127.373,62.501 130.321,62.501 cw(c130.321,62.349) 130.473,62.349 130.473,61.434 cw(c130.321,61.434) 130.321,61.282 128.1,61.282 128.1,60.672 130.321,60.672 cw(c130.321,60.52) 130.473,60.52 130.473,59.605 cw(c130.321,59.605) 130.321,59.453 128.6,59.453 128.6,58.843 130.321,58.843 cw(c130.321,58.691) 130.473,58.691 130.473,57.777 cw(c130.321,57.777) 130.321,57.624 128.231,57.624 128.231,57.015 130.321,57.015 cw(c130.321,56.862) 130.473,56.862 130.473,55.948 cw(c130.321,55.948) 130.321,55.795 128.231,55.795 128.231,55.186 130.321,55.186 cw(c130.321,55.033) 130.473,55.033 130.473,54.119 cw(c130.321,54.119) 130.321,53.967 128.231,53.967 128.231,53.357 130.321,53.357 cw(c130.321,53.205) 130.473,53.205 130.473,52.29 cw(c130.321,52.29) 130.321,52.138 128.231,52.138 128.231,51.528 130.321,51.528 cw(c130.321,51.376) 130.473,51.376 130.473,50.461 cw(c130.321,50.461) 130.321,50.309 128.231,50.309 128.231,49.699 130.321,49.699 cw(c130.321,49.547) 130.473,49.547 130.473,48.633 cw(c130.321,48.633) 130.321,48.48 128.231,48.48 128.231,47.871 130.321,47.871 cw(c130.321,47.718) 130.473,47.718 130.473,46.804 cw(c130.321,46.804) 130.321,46.651 128.6,46.651 128.6,37.5 129.367,36.733 131.1,36.733 131.752,36.733 J46.8@132.755,37.736
LVDS6_4_N: J44.U46 J46.12 | length 204.3
  TopLayer w0.127: J44.U46@15.025,64.471 15.055,64.441 15.977,64.441 16.003,64.467
  TopLayer w0.152: 16.003,64.467 22.367,64.467 22.552,64.652 22.696,64.796 22.299,65.193 22.586,65.481 22.983,65.083 23.271,65.371 22.874,65.768 23.161,66.055 23.558,65.658 23.846,65.946 23.448,66.343 23.736,66.63 24.133,66.233 24.3,66.4 28.005,70.105 28.664,70.105 cw(c28.664,69.952) 28.816,69.952 28.816,69.734 29.426,69.734 29.426,70.423 cw(c29.578,70.423) 29.578,70.575 30.493,70.575 cw(c30.493,70.423) 30.645,70.423 30.645,69.734 31.255,69.734 31.255,70.423 cw(c31.407,70.423) 31.407,70.575 32.321,70.575 cw(c32.321,70.423) 32.474,70.423 32.474,69.734 33.083,69.734 33.083,69.952 cw(c33.236,69.952) 33.236,70.105 33.859,70.105 34.154,70.4 34.65,70.4 34.65,70.618 cw(c34.803,70.618) 34.803,70.771 35.717,70.771 cw(c35.717,70.618) 35.87,70.618 35.87,70.4 36.479,70.4 36.479,70.618 cw(c36.632,70.618) 36.632,70.771 37.546,70.771 cw(c37.546,70.618) 37.698,70.618 37.698,70.4 38.308,70.4 38.308,70.618 cw(c38.46,70.618) 38.46,70.771 39.375,70.771 cw(c39.375,70.618) 39.527,70.618 39.527,70.4 40.137,70.4 40.137,70.618 cw(c40.289,70.618) 40.289,70.771 41.204,70.771 cw(c41.204,70.618) 41.356,70.618 41.356,70.4 41.966,70.4 41.966,70.618 cw(c42.118,70.618) 42.118,70.771 43.032,70.771 cw(c43.032,70.618) 43.185,70.618 43.185,70.4 43.794,70.4 43.794,70.618 cw(c43.947,70.618) 43.947,70.771 44.861,70.771 cw(c44.861,70.618) 45.014,70.618 45.014,70.4 45.623,70.4 45.623,70.618 cw(c45.776,70.618) 45.776,70.771 46.69,70.771 cw(c46.69,70.618) 46.842,70.618 46.842,70.4 47.452,70.4 47.452,70.618 cw(c47.604,70.618) 47.604,70.771 48.519,70.771 cw(c48.519,70.618) 48.671,70.618 48.671,70.4 49.281,70.4 49.281,70.618 cw(c49.433,70.618) 49.433,70.771 50.348,70.771 cw(c50.348,70.618) 50.5,70.618 50.5,70.4 51.11,70.4 51.11,70.618 cw(c51.262,70.618) 51.262,70.771 52.176,70.771 cw(c52.176,70.618) 52.329,70.618 52.329,70.4 52.938,70.4 52.938,70.618 cw(c53.091,70.618) 53.091,70.771 54.005,70.771 cw(c54.005,70.618) 54.158,70.618 54.158,70.4 54.767,70.4 54.767,70.618 cw(c54.92,70.618) 54.92,70.771 55.834,70.771 cw(c55.834,70.618) 55.986,70.618 55.986,70.4 56.596,70.4 56.596,70.618 cw(c56.748,70.618) 56.748,70.771 57.663,70.771 cw(c57.663,70.618) 57.815,70.618 57.815,70.4 58.425,70.4 58.425,70.618 cw(c58.577,70.618) 58.577,70.771 59.492,70.771 cw(c59.492,70.618) 59.644,70.618 59.644,70.4 60.254,70.4 60.254,70.618 cw(c60.406,70.618) 60.406,70.771 61.32,70.771 cw(c61.32,70.618) 61.473,70.618 61.473,70.4 62.082,70.4 62.082,70.618 cw(c62.235,70.618) 62.235,70.771 63.149,70.771 cw(c63.149,70.618) 63.302,70.618 63.302,70.4 63.911,70.4 63.911,70.618 cw(c64.064,70.618) 64.064,70.771 64.978,70.771 cw(c64.978,70.618) 65.13,70.618 65.13,70.4 65.74,70.4 65.74,70.618 cw(c65.892,70.618) 65.892,70.771 66.807,70.771 cw(c66.807,70.618) 66.959,70.618 66.959,70.4 67.569,70.4 67.569,70.618 cw(c67.721,70.618) 67.721,70.771 68.636,70.771 cw(c68.636,70.618) 68.788,70.618 68.788,70.4 69.398,70.4 69.398,70.618 cw(c69.55,70.618) 69.55,70.771 70.464,70.771 cw(c70.464,70.618) 70.617,70.618 70.617,70.4 71.226,70.4 71.226,70.618 cw(c71.379,70.618) 71.379,70.771 72.293,70.771 cw(c72.293,70.618) 72.446,70.618 72.446,70.4 73.055,70.4 73.055,70.618 cw(c73.208,70.618) 73.208,70.771 74.122,70.771 cw(c74.122,70.618) 74.274,70.618 74.274,70.4 74.884,70.4 74.884,70.618 cw(c75.036,70.618) 75.036,70.771 75.951,70.771 cw(c75.951,70.618) 76.103,70.618 76.103,70.4 76.713,70.4 76.713,70.618 cw(c76.865,70.618) 76.865,70.771 77.78,70.771 cw(c77.78,70.618) 77.932,70.618 77.932,70.4 78.542,70.4 78.542,70.618 cw(c78.694,70.618) 78.694,70.771 79.608,70.771 cw(c79.608,70.618) 79.761,70.618 79.761,70.4 80.37,70.4 80.37,70.618 cw(c80.523,70.618) 80.523,70.771 81.437,70.771 cw(c81.437,70.618) 81.59,70.618 81.59,70.4 82.199,70.4 82.199,70.618 cw(c82.352,70.618) 82.352,70.771 83.266,70.771 cw(c83.266,70.618) 83.418,70.618 83.418,70.4 84.028,70.4 84.028,70.618 cw(c84.18,70.618) 84.18,70.771 85.095,70.771 cw(c85.095,70.618) 85.247,70.618 85.247,70.4 85.857,70.4 85.857,70.618 cw(c86.009,70.618) 86.009,70.771 86.924,70.771 cw(c86.924,70.618) 87.076,70.618 87.076,70.4 87.686,70.4 87.686,70.618 cw(c87.838,70.618) 87.838,70.771 88.752,70.771 cw(c88.752,70.618) 88.905,70.618 88.905,70.4 89.514,70.4 89.514,70.618 cw(c89.667,70.618) 89.667,70.771 90.581,70.771 cw(c90.581,70.618) 90.734,70.618 90.734,70.4 91.343,70.4 91.343,70.618 cw(c91.496,70.618) 91.496,70.771 92.41,70.771 cw(c92.41,70.618) 92.562,70.618 92.562,70.4 93.172,70.4 93.172,70.618 cw(c93.324,70.618) 93.324,70.771 94.239,70.771 cw(c94.239,70.618) 94.391,70.618 94.391,70.4 95.001,70.4 95.001,70.618 cw(c95.153,70.618) 95.153,70.771 96.068,70.771 cw(c96.068,70.618) 96.22,70.618 96.22,70.4 96.83,70.4 96.83,70.618 cw(c96.982,70.618) 96.982,70.771 97.896,70.771 cw(c97.896,70.618) 98.049,70.618 98.049,70.4 98.658,70.4 98.658,70.618 cw(c98.811,70.618) 98.811,70.771 99.725,70.771 cw(c99.725,70.618) 99.878,70.618 99.878,70.4 100.487,70.4 100.487,70.618 cw(c100.64,70.618) 100.64,70.771 101.554,70.771 cw(c101.554,70.618) 101.706,70.618 101.706,70.4 102.316,70.4 102.316,70.618 cw(c102.468,70.618) 102.468,70.771 103.383,70.771 cw(c103.383,70.618) 103.535,70.618 103.535,70.4 104.145,70.4 104.145,70.618 cw(c104.297,70.618) 104.297,70.771 105.212,70.771 cw(c105.212,70.618) 105.364,70.618 105.364,70.4 105.974,70.4 105.974,70.618 cw(c106.126,70.618) 106.126,70.771 107.04,70.771 cw(c107.04,70.618) 107.193,70.618 107.193,70.4 107.802,70.4 107.802,70.618 cw(c107.955,70.618) 107.955,70.771 108.869,70.771 cw(c108.869,70.618) 109.022,70.618 109.022,70.4 109.631,70.4 109.631,70.618 cw(c109.784,70.618) 109.784,70.771 110.698,70.771 cw(c110.698,70.618) 110.85,70.618 110.85,70.4 111.46,70.4 111.46,70.618 cw(c111.612,70.618) 111.612,70.771 112.527,70.771 cw(c112.527,70.618) 112.679,70.618 112.679,70.4 113.289,70.4 113.289,70.618 cw(c113.441,70.618) 113.441,70.771 114.356,70.771 cw(c114.356,70.618) 114.508,70.618 114.508,70.4 115.118,70.4 115.118,70.618 cw(c115.27,70.618) 115.27,70.771 116.184,70.771 cw(c116.184,70.618) 116.337,70.618 116.337,70.4 116.946,70.4 116.946,70.618 cw(c117.099,70.618) 117.099,70.771 118.013,70.771 cw(c118.013,70.618) 118.166,70.618 118.166,70.4 118.775,70.4 118.775,70.618 cw(c118.928,70.618) 118.928,70.771 119.842,70.771 cw(c119.842,70.618) 119.994,70.618 119.994,70.034 120.604,70.034 120.604,70.618 cw(c120.756,70.618) 120.756,70.771 121.671,70.771 cw(c121.671,70.618) 121.823,70.618 121.823,70.034 122.433,70.034 122.433,70.618 cw(c122.585,70.618) 122.585,70.771 123.5,70.771 cw(c123.5,70.618) 123.652,70.618 123.652,70.034 124.262,70.034 124.262,70.618 cw(c124.414,70.618) 124.414,70.771 125.328,70.771 cw(c125.328,70.618) 125.481,70.618 125.481,70.034 126.09,70.034 126.09,70.248 cw(c126.243,70.248) 126.243,70.4 128.431,70.4 128.715,70.116 129.521,70.116 129.532,70.105 132.426,70.105 133.313,69.219 133.313,67.599 133.474,67.437 v1@133.474,67.388
  BottomLayer w0.152: J46.12@132.755,32.656 132.644,32.656 131.8,33.5 131.8,33.888 135.319,33.888 135.416,33.984 136.6,35.169 136.6,63.151 133.351,66.4 133.351,67.265 v1@133.474,67.388
  other v1: 133.5,67.4
LVDS6_4_P: J44.U12 J46.11 | length 203.6
  TopLayer w0.127: J44.U12@12.675,64.471 12.959,64.187 13.485,64.187 13.61,64.311 14.278,64.311 14.76,63.83 15.29,63.83 15.647,64.187 15.977,64.187 16.003,64.162
  TopLayer w0.152: 16.003,64.162 22.493,64.162 22.768,64.437 22.912,64.581 23.199,64.868 23.486,65.155 23.774,65.443 24.061,65.73 24.348,66.017 24.516,66.184 28.131,69.8 28.511,69.8 28.511,69.582 ccw(c28.664,69.582) 28.664,69.429 29.578,69.429 ccw(c29.578,69.582) 29.731,69.582 29.731,70.271 30.34,70.271 30.34,69.582 ccw(c30.493,69.582) 30.493,69.429 31.407,69.429 ccw(c31.407,69.582) 31.559,69.582 31.559,70.271 32.169,70.271 32.169,69.582 ccw(c32.321,69.582) 32.321,69.429 33.236,69.429 ccw(c33.236,69.582) 33.388,69.582 33.388,69.8 33.985,69.8 34.28,70.095 34.803,70.095 ccw(c34.803,70.248) 34.955,70.248 34.955,70.466 35.565,70.466 35.565,70.248 ccw(c35.717,70.248) 35.717,70.095 36.632,70.095 ccw(c36.632,70.248) 36.784,70.248 36.784,70.466 37.394,70.466 37.394,70.248 ccw(c37.546,70.248) 37.546,70.095 38.46,70.095 ccw(c38.46,70.248) 38.613,70.248 38.613,70.466 39.222,70.466 39.222,70.248 ccw(c39.375,70.248) 39.375,70.095 40.289,70.095 ccw(c40.289,70.248) 40.442,70.248 40.442,70.466 41.051,70.466 41.051,70.248 ccw(c41.204,70.248) 41.204,70.095 42.118,70.095 ccw(c42.118,70.248) 42.27,70.248 42.27,70.466 42.88,70.466 42.88,70.248 ccw(c43.032,70.248) 43.032,70.095 43.947,70.095 ccw(c43.947,70.248) 44.099,70.248 44.099,70.466 44.709,70.466 44.709,70.248 ccw(c44.861,70.248) 44.861,70.095 45.776,70.095 ccw(c45.776,70.248) 45.928,70.248 45.928,70.466 46.538,70.466 46.538,70.248 ccw(c46.69,70.248) 46.69,70.095 47.604,70.095 ccw(c47.604,70.248) 47.757,70.248 47.757,70.466 48.366,70.466 48.366,70.248 ccw(c48.519,70.248) 48.519,70.095 49.433,70.095 ccw(c49.433,70.248) 49.586,70.248 49.586,70.466 50.195,70.466 50.195,70.248 ccw(c50.348,70.248) 50.348,70.095 51.262,70.095 ccw(c51.262,70.248) 51.414,70.248 51.414,70.466 52.024,70.466 52.024,70.248 ccw(c52.176,70.248) 52.176,70.095 53.091,70.095 ccw(c53.091,70.248) 53.243,70.248 53.243,70.466 53.853,70.466 53.853,70.248 ccw(c54.005,70.248) 54.005,70.095 54.92,70.095 ccw(c54.92,70.248) 55.072,70.248 55.072,70.466 55.682,70.466 55.682,70.248 ccw(c55.834,70.248) 55.834,70.095 56.748,70.095 ccw(c56.748,70.248) 56.901,70.248 56.901,70.466 57.51,70.466 57.51,70.248 ccw(c57.663,70.248) 57.663,70.095 58.577,70.095 ccw(c58.577,70.248) 58.73,70.248 58.73,70.466 59.339,70.466 59.339,70.248 ccw(c59.492,70.248) 59.492,70.095 60.406,70.095 ccw(c60.406,70.248) 60.558,70.248 60.558,70.466 61.168,70.466 61.168,70.248 ccw(c61.32,70.248) 61.32,70.095 62.235,70.095 ccw(c62.235,70.248) 62.387,70.248 62.387,70.466 62.997,70.466 62.997,70.248 ccw(c63.149,70.248) 63.149,70.095 64.064,70.095 ccw(c64.064,70.248) 64.216,70.248 64.216,70.466 64.826,70.466 64.826,70.248 ccw(c64.978,70.248) 64.978,70.095 65.892,70.095 ccw(c65.892,70.248) 66.045,70.248 66.045,70.466 66.654,70.466 66.654,70.248 ccw(c66.807,70.248) 66.807,70.095 67.721,70.095 ccw(c67.721,70.248) 67.874,70.248 67.874,70.466 68.483,70.466 68.483,70.248 ccw(c68.636,70.248) 68.636,70.095 69.55,70.095 ccw(c69.55,70.248) 69.702,70.248 69.702,70.466 70.312,70.466 70.312,70.248 ccw(c70.464,70.248) 70.464,70.095 71.379,70.095 ccw(c71.379,70.248) 71.531,70.248 71.531,70.466 72.141,70.466 72.141,70.248 ccw(c72.293,70.248) 72.293,70.095 73.208,70.095 ccw(c73.208,70.248) 73.36,70.248 73.36,70.466 73.97,70.466 73.97,70.248 ccw(c74.122,70.248) 74.122,70.095 75.036,70.095 ccw(c75.036,70.248) 75.189,70.248 75.189,70.466 75.798,70.466 75.798,70.248 ccw(c75.951,70.248) 75.951,70.095 76.865,70.095 ccw(c76.865,70.248) 77.018,70.248 77.018,70.466 77.627,70.466 77.627,70.248 ccw(c77.78,70.248) 77.78,70.095 78.694,70.095 ccw(c78.694,70.248) 78.846,70.248 78.846,70.466 79.456,70.466 79.456,70.248 ccw(c79.608,70.248) 79.608,70.095 80.523,70.095 ccw(c80.523,70.248) 80.675,70.248 80.675,70.466 81.285,70.466 81.285,70.248 ccw(c81.437,70.248) 81.437,70.095 82.352,70.095 ccw(c82.352,70.248) 82.504,70.248 82.504,70.466 83.114,70.466 83.114,70.248 ccw(c83.266,70.248) 83.266,70.095 84.18,70.095 ccw(c84.18,70.248) 84.333,70.248 84.333,70.466 84.942,70.466 84.942,70.248 ccw(c85.095,70.248) 85.095,70.095 86.009,70.095 ccw(c86.009,70.248) 86.162,70.248 86.162,70.466 86.771,70.466 86.771,70.248 ccw(c86.924,70.248) 86.924,70.095 87.838,70.095 ccw(c87.838,70.248) 87.99,70.248 87.99,70.466 88.6,70.466 88.6,70.248 ccw(c88.752,70.248) 88.752,70.095 89.667,70.095 ccw(c89.667,70.248) 89.819,70.248 89.819,70.466 90.429,70.466 90.429,70.248 ccw(c90.581,70.248) 90.581,70.095 91.496,70.095 ccw(c91.496,70.248) 91.648,70.248 91.648,70.466 92.258,70.466 92.258,70.248 ccw(c92.41,70.248) 92.41,70.095 93.324,70.095 ccw(c93.324,70.248) 93.477,70.248 93.477,70.466 94.086,70.466 94.086,70.248 ccw(c94.239,70.248) 94.239,70.095 95.153,70.095 ccw(c95.153,70.248) 95.306,70.248 95.306,70.466 95.915,70.466 95.915,70.248 ccw(c96.068,70.248) 96.068,70.095 96.982,70.095 ccw(c96.982,70.248) 97.134,70.248 97.134,70.466 97.744,70.466 97.744,70.248 ccw(c97.896,70.248) 97.896,70.095 98.811,70.095 ccw(c98.811,70.248) 98.963,70.248 98.963,70.466 99.573,70.466 99.573,70.248 ccw(c99.725,70.248) 99.725,70.095 100.64,70.095 ccw(c100.64,70.248) 100.792,70.248 100.792,70.466 101.402,70.466 101.402,70.248 ccw(c101.554,70.248) 101.554,70.095 102.468,70.095 ccw(c102.468,70.248) 102.621,70.248 102.621,70.466 103.23,70.466 103.23,70.248 ccw(c103.383,70.248) 103.383,70.095 104.297,70.095 ccw(c104.297,70.248) 104.45,70.248 104.45,70.466 105.059,70.466 105.059,70.248 ccw(c105.212,70.248) 105.212,70.095 106.126,70.095 ccw(c106.126,70.248) 106.278,70.248 106.278,70.466 106.888,70.466 106.888,70.248 ccw(c107.04,70.248) 107.04,70.095 107.955,70.095 ccw(c107.955,70.248) 108.107,70.248 108.107,70.466 108.717,70.466 108.717,70.248 ccw(c108.869,70.248) 108.869,70.095 109.784,70.095 ccw(c109.784,70.248) 109.936,70.248 109.936,70.466 110.546,70.466 110.546,70.248 ccw(c110.698,70.248) 110.698,70.095 111.612,70.095 ccw(c111.612,70.248) 111.765,70.248 111.765,70.466 112.374,70.466 112.374,70.248 ccw(c112.527,70.248) 112.527,70.095 113.441,70.095 ccw(c113.441,70.248) 113.594,70.248 113.594,70.466 114.203,70.466 114.203,70.248 ccw(c114.356,70.248) 114.356,70.095 115.27,70.095 ccw(c115.27,70.248) 115.422,70.248 115.422,70.466 116.032,70.466 116.032,70.248 ccw(c116.184,70.248) 116.184,70.095 117.099,70.095 ccw(c117.099,70.248) 117.251,70.248 117.251,70.466 117.861,70.466 117.861,70.248 ccw(c118.013,70.248) 118.013,70.095 118.928,70.095 ccw(c118.928,70.248) 119.08,70.248 119.08,70.466 119.69,70.466 119.69,69.882 ccw(c119.842,69.882) 119.842,69.729 120.756,69.729 ccw(c120.756,69.882) 120.909,69.882 120.909,70.466 121.518,70.466 121.518,69.882 ccw(c121.671,69.882) 121.671,69.729 122.585,69.729 ccw(c122.585,69.882) 122.738,69.882 122.738,70.466 123.347,70.466 123.347,69.882 ccw(c123.5,69.882) 123.5,69.729 124.414,69.729 ccw(c124.414,69.882) 124.566,69.882 124.566,70.466 125.176,70.466 125.176,69.882 ccw(c125.328,69.882) 125.328,69.729 126.243,69.729 ccw(c126.243,69.882) 126.395,69.882 126.395,70.095 128.305,70.095 128.589,69.811 129.395,69.811 129.406,69.8 132.3,69.8 133.008,69.092 133.008,67.549 v1(132.847,67.388)
  BottomLayer w0.152: J46.11@130.215,32.656 130.651,32.656 131.495,33.5 131.495,34.014 131.674,34.193 135.193,34.193 136.295,35.295 136.295,62.948 132.97,66.274 132.97,67.265 v1(132.847,67.388)
LVDS6_5_N: J44.U47 J46.15 | length 204.2
  TopLayer w0.127: 10.377,77.177 10.377,75.706 10.313,75.643 10.313,75.338 9.83,74.855 9.83,64.775 10.68,63.925 10.873,63.925 11.26,64.311 11.79,64.311 12.431,63.671 J44.U47@13.875,63.671
  TopLayer w0.152: 10.377,77.177 11.3,78.1 13.831,78.1 18.331,82.6 126.916,82.6 127.636,83.321 127.685,83.321 127.855,83.49 128.19,83.49 v1(128.2,83.5)
  BottomLayer w0.152: v1(128.2,83.5) 128.19,83.49 128.19,82.69 128.7,82.179 131.411,82.179 132.1,81.49 132.1,81.4 133.6,79.9 133.826,79.9 138,75.726 138,32.95 133.629,28.579 131.218,28.579 J46.15@130.215,27.576
LVDS6_5_P: J44.U13 J46.14 | length 203.6
  TopLayer w0.127: 10.059,77.29 10.059,75.443 9.576,74.96 9.576,64.67 9.746,64.5 9.746,62.654 9.9,62.5 10.354,62.5 J44.U13@11.525,63.671
  TopLayer w0.152: 10.059,77.29 11.174,78.405 13.705,78.405 17.905,82.605 18.205,82.905 126.825,82.905 127.52,83.6 127.569,83.6 127.757,83.787 v1(127.757,83.943)
  BottomLayer w0.152: v1(127.757,83.943) 127.747,83.934 127.747,82.738 128.584,81.9 131.295,81.9 131.795,81.4 131.795,81.274 133.474,79.595 133.7,79.595 137.695,75.6 137.695,33.04 133.539,28.884 132.016,28.884 131.8,29.1 131.8,29.161 J46.14@132.755,30.116